# Altium PCB Smart-Light-Modulator-V1.1.PcbDoc (continued)
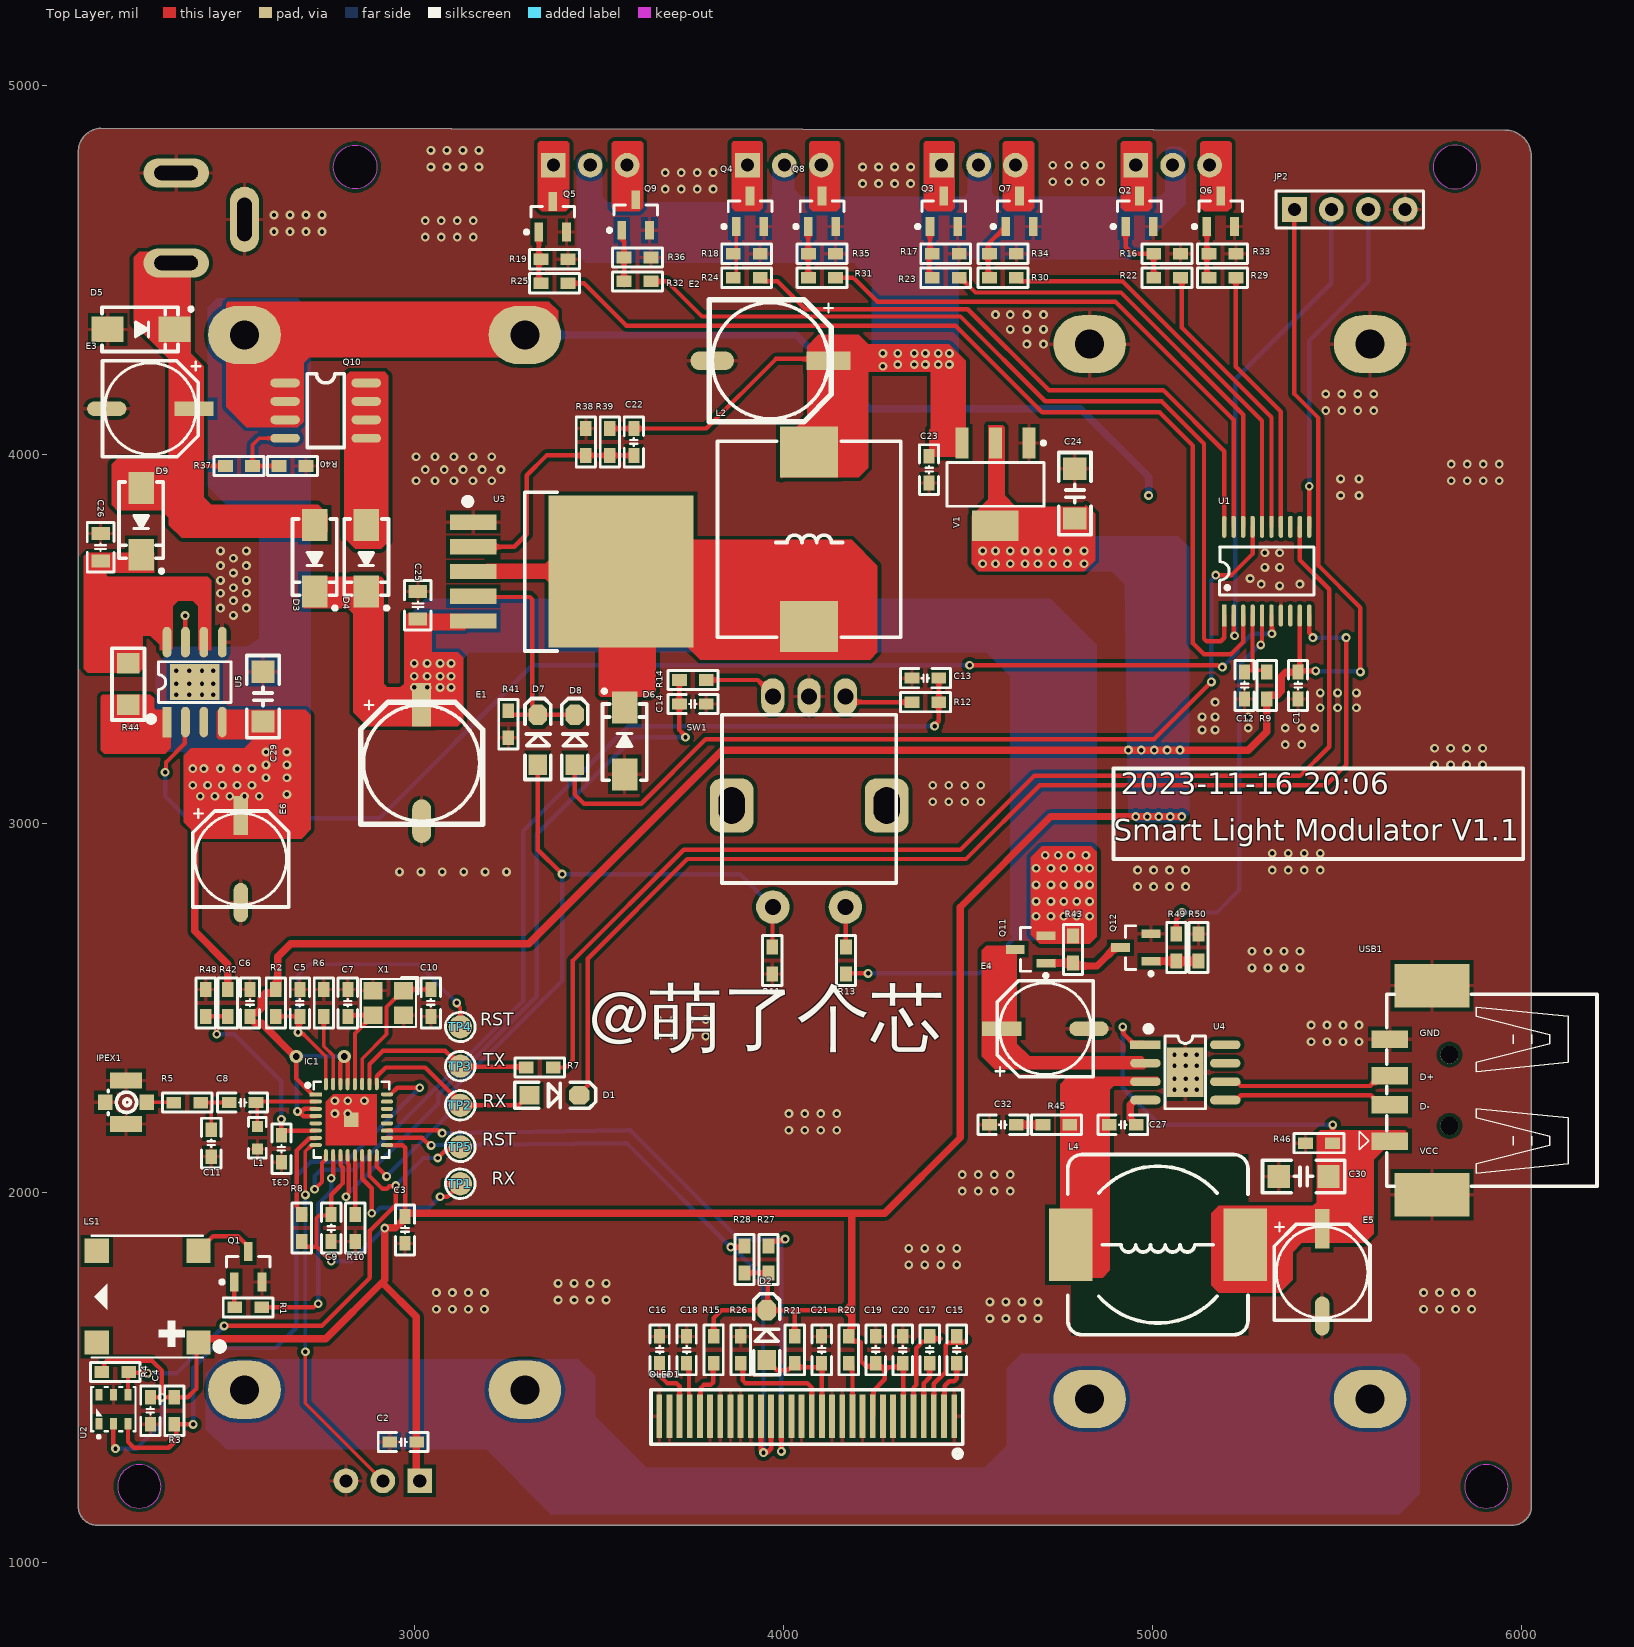
[diagram p0: Top Layer view]
## Nets (pads, with @x,y where several pads share a name; then routed paths per layer and width w, separated by ;. In a path a pad name is that pad's centre, name@x,y a point inside that pad or via, vN(x,y) a via of type N, cw(c..) or ccw(c..) an arc to the next point about the centre after c; other vN are vias at no path point)
5V: C22.2 C23.2 E2.1 JP3.2 JP4.2 JP5.2 JP6.2 L2.2 R39.2 V1.3 | length 644.3
  Top Layer w12: R39.2 C22.2 3791.5,4071.5 3980,4260 E2.1@4096.21,4260
  other v1: 4270,4240 4310,4245 4355,4245 4385,4245 4420,4245 4450,4245 4270,4275 4310,4275 4355,4275 4385,4275 4420,4275 4450,4275
12V: CON1.1 D3.1 D5.2 D9.1 E3.1 R37.2 | length 83.5
  Top Layer w12: 2405,3970 R37.2
AHT20_SCL: IC1.24 R3.1 U2.3 | length 1698.5
  Top Layer w12: U2.3 2224.37,1325.63 2240,1310 2335,1310 2355,1330 2355,1368.5 R3.1 2400.3,1373.5 v1(2400.92,1372.88) ; IC1.24@2936.77,2268 2953.77,2285 v1(3015,2285)
  Bottom Layer w12: v1(2400.92,1372.88) 2400.92,1525.92 2455,1580 2625,1580 2680,1635 2680,2045 2720,2085 2815,2085 v1(3015,2285)
AHT20_SDA: IC1.15 R4.1 TP5.1 U2.4 | length 1467.4
  Top Layer w12: U2.4 2224.37,1512.87 R4.1 2228.49,1513.01 2275.46,1513.01 v1(2277.45,1511.02) ; v1(2485,1640) 2750,1640 2880,1770 2880,1897.53 2950,1967.53 v1(2950,2020) 2947.7,2017.7 2932.46,2017.7 2925.75,2011 2914,2011 2878.76,2046.24 IC1.15 ; v1(3063.73,2094.9) 3086.41,2117.59 3117.59,2117.59 TP5.1
  Bottom Layer w12: v1(2277.45,1511.02) 2356.02,1511.02 v1(2485,1640) ; v1(2950,2020) 3024.9,2094.9 v1(3063.73,2094.9)
BAT-ADC: C31.2 IC1.6 R42.1 R48.2 | length 579.2
  Top Layer w12: R48.2 2465,2478.5 ; v1(2465,2430) 2465,2478.5 ; R42.1 2465,2478.5 ; C31.2 C31.2@2640,2159.72 ; v1(2640,2200) C31.2@2640,2159.72 ; IC1.6 2699.74,2168.97 2699.74,2168.72 2649,2168.72 C31.2@2640,2159.72
  Bottom Layer w12: v1(2465,2430) 2512.25,2430 2640,2302.25 v1(2640,2200)
BEEP: IC1.10 R1.2 | length 576.3
  Top Layer w12: R1.2 2726.97,1690 2736.97,1700 v1(2740,1700) ; v1(2775,2040) 2775,2043.25 2780.31,2048.56 IC1.10
  Bottom Layer w12: v1(2740,1700) 2740,1970 2775,2005 v1(2775,2040)
CHARGE-IO: U1.6 U5.2 | length 3515.3
  Top Layer w12: v1(2325,3140) 2327.3,3142.3 2327.3,3166.77 2377.78,3217.25 2377.78,3273.92 U5.2 ; v1(4505,3430) 5176.97,3430 5179.67,3427.3 5187.7,3427.3 v1(5190,3425) ; U1.6 5322.8,3540.92 5324.12,3539.59 v1(5324.12,3515.5)
  Bottom Layer w12: v1(2325,3140) 2325,3075 2385,3015 2905,3015 3320,3430 v1(4505,3430) ; v1(5190,3425) 5231.15,3466.15 5231.15,3476.15 5270,3515 5305,3515 5305.1,3514.9 5323.53,3514.9 v1(5324.12,3515.5)
ESP-U0-RX: D1.1 IC1.25 TP2.1 | length 495.7
  Top Layer w12: IC1.25 2898.45,2313.45 2900,2315 2900,2317.46 2922.54,2340 3030,2340 TP2.1@3125,2245 ; TP2.1 3282.5,2237.5 3310,2265 D1.1
ESP-U0-TX: IC1.26 R7.2 TP3.1 | length 512.2
  Top Layer w12: IC1.26 2878.76,2348.76 2915,2385 3083.75,2385 TP3.1 3126.88,2341.88 3301.62,2341.88 R7.2
ESP_UART0_RX: D1.2 U1.10 | length 3150.8
  Top Layer w12: D1.2 3447.5,2268.53 3470,2291.03 3470,2635 3740,2905 4495,2905 4695,3105 5470,3105 5525,3160 v1(5525,3505) ; U1.10 5425.16,3518.09 5435,3508.25 v1(5435,3505)
  Bottom Layer w12: v1(5435,3505) v1(5525,3505)
ESP_UART0_TX: R7.1 U1.12 | length 3249.6
  Top Layer w12: R7.1 3410,2340 3430,2360 3430,2630 3730,2930 4480,2930 4680,3130 5400,3130 5479,3209 5479,3636 5399.57,3715.43 U1.12
ESP_UART1_TX: IC1.14 TP1.1 | length 440.9
  Top Layer w12: IC1.14 2859.07,2038.4 2885,2012.47 v1(2885,1945) ; v1(3070,1990) 3090,1990 TP1.1
  Bottom Layer w12: v1(2885,1945) 2887.3,1947.3 2895.33,1947.3 2908.03,1960 3040,1960 v1(3070,1990)
GND: C1.1 C2.1 C3.1 C4.1 C5.1 C6.1 C7.1 C9.1 C10.1 C11.1 C12.2 C13.2 C14.1 C16.2 C18.2 C19.1 C20.1 C21.2 C23.1 C24.1 C25.1 C26.1 C29.1 C30.1 C31.1 C32.2 CON1.2 CON1.3 D5.1 D6.1 E1.2 E2.2 E3.2 E4.2 E5.2 E6.2 IC1.33 IPEX1.1 IPEX1.3 IPEX1.4 J2.3 J2.4 JP1.3 JP2.4 L1.1 OLED1.1 OLED1.7 OLED1.8 OLED1.10 OLED1.12 OLED1.13 OLED1.16 OLED1.17 OLED1.21 OLED1.22 OLED1.23 OLED1.24 OLED1.25 OLED1.29 OLED1.30 Q1.2 Q2.2 Q3.2 Q4.2 Q5.2 Q6.2 Q7.2 Q8.2 Q9.2 Q12.2 R6.2 R10.2 R11.1 R16.1 R17.1 R18.1 R19.1 R26.2 R33.1 R34.1 R35.1 R36.1 R38.1 R40.1 R41.1 R46.2 R48.1 R50.2 SW1.C U1.7 U2.5 U3.1 U4.9 U5.5 U5.7 USB1.4 V1.1 X1.2 X1.4 | length 72.2
  Top Layer w12: v1(2379.08,3564.51) 2380,3563.59 U5.7
  other v1: 4560,1660 4603.33,1660 4646.67,1660 4690,1660 3060,1685 3103.33,1685 3146.67,1685 3190,1685 5735,1685 5778.33,1685 5821.67,1685 5865,1685 4560,1705 4603.33,1705 4646.67,1705 4690,1705 3390,1710 3433.33,1710 3476.67,1710 3520,1710 3060,1730 3103.33,1730 3146.67,1730 3190,1730 5735,1730 5778.33,1730 5821.67,1730 5865,1730 3390,1755 3433.33,1755 3476.67,1755 3520,1755 4340,1805 4383.33,1805 4426.67,1805 4470,1805 4340,1850 4383.33,1850 4426.67,1850 4470,1850 4485,2005 4528.33,2005 4571.67,2005 4615,2005 4485,2050 4528.33,2050 4571.67,2050 4615,2050 4015,2170 4058.33,2170 4101.67,2170 4145,2170 2785,2215 2820,2215 4015,2215 4058.33,2215 4101.67,2215 4145,2215 2785,2250 2820,2250 2865,2250 5060,2280 5090,2280 5120,2280 5060,2310 5090,2310 5120,2310 5060,2345 5090,2345 5120,2345 5060,2375 5090,2375 5120,2375 5430,2410 5473.33,2410 5516.67,2410 5560,2410 3660,2425 3703.33,2425 3746.67,2425 3790,2425 5430,2455 5473.33,2455 5516.67,2455 5560,2455 3660,2470 3703.33,2470 3746.67,2470 3790,2470 5270,2610 5313.33,2610 5356.67,2610 5400,2610 5270,2655 5313.33,2655 5356.67,2655 5400,2655 4960,2830 5003.33,2830 5046.67,2830 5090,2830 2960,2870 3018,2870 3076,2870 3134,2870 3192,2870 3250,2870 4960,2875 5003.33,2875 5046.67,2875 5090,2875 5325,2875 5368.33,2875 5411.67,2875 5455,2875 5325,2920 5368.33,2920 5411.67,2920 5455,2920 4405,3060 4448.33,3060 4491.67,3060 4535,3060 4405,3105 4448.33,3105 4491.67,3105 4535,3105 5765,3160 5808.33,3160 5851.67,3160 5895,3160 5765,3205 5808.33,3205 5851.67,3205 5895,3205 5360,3215 5405,3215 5135,3255 5170,3255 5260,3260 5360,3260 5405,3260 5440,3260 5135,3290 5170,3290 5260,3290 5455,3315 5502,3315 5553,3315 5170,3330 5455,3355 5502,3355 5553,3355 2510,3565 2475,3585 2545,3585 2510,3605 2475,3625 2545,3625 2510,3640 5345,3645 5295,3650 5400,3650 2475,3660 2545,3660 5265,3665 2510,3680 5305,3695 5345,3695 2475,3700 2545,3700 2510,3720 5305,3735 5345,3735 2475,3740 2545,3740 5510,3890 5560,3890 3005,3930 3056.25,3930 3107.5,3930 3158.75,3930 3210,3930 5810,3930 5853.33,3930 5896.67,3930 5940,3930 5510,3935 5560,3935 3030,3960 3081.25,3960 3132.5,3960 3183.75,3960 3235,3960 5810,3975 5853.33,3975 5896.67,3975 5940,3975 3005,3995 3056.25,3995 3107.5,3995 3158.75,3995 3210,3995 5470,4120 5513.33,4120 5556.67,4120 5600,4120 5470,4165 5513.33,4165 5556.67,4165 5600,4165 4660,4300 4705,4300 4615,4340 4660,4340 4705,4340 4575,4380 4615,4380 4660,4380 4705,4380 3030,4590 3073.33,4590 3116.67,4590 3160,4590 2620,4605 2663.33,4605 2706.67,4605 2750,4605 3030,4635 3073.33,4635 3116.67,4635 3160,4635 2620,4650 2663.33,4650 2706.67,4650 2750,4650 3680,4720 3723.33,4720 3766.67,4720 3810,4720 4215,4735 4258.33,4735 4301.67,4735 4345,4735 4730,4740 4773.33,4740 4816.67,4740 4860,4740 3680,4765 3723.33,4765 3766.67,4765 3810,4765 3045,4780 3088.33,4780 3131.67,4780 3175,4780 4215,4780 4258.33,4780 4301.67,4780 4345,4780 4730,4785 4773.33,4785 4816.67,4785 4860,4785 3045,4825 3088.33,4825 3131.67,4825 3175,4825
NetC7_2: C7.2 IC1.28 X1.3 | length 276.1
  Top Layer w10: C7.2 2823.04,2481.54 X1.3@2886.69,2481.54 ; IC1.28 2839.38,2345.62 2839.38,2432.25 2868.07,2460.94 2868.07,2462.91 X1.3@2886.69,2481.54 ; X1.3 X1.3@2886.69,2481.54
NetC8_1: C8.1 IC1.2 L1.2 | length 228.5
  Top Layer w10: L1.2 2575,2241.5 C8.1 2574.22,2247.72 2657.08,2247.72 IC1.2
NetC8_2: C8.2 C11.2 R5.2 | length 137.6
  Top Layer w10: R5.2 2450,2245 ; C11.2@2450,2184.43 2450,2245 ; C8.2 2450,2245
NetC10_2: C10.2 IC1.27 X1.1 | length 376
  Top Layer w10: IC1.27 2859.07,2364.07 2925,2430 2925,2504.09 2969.37,2548.46 X1.1 2974.37,2551.5 C10.2
NetC15_1: C15.1 OLED1.3 | length 266.6
  Top Layer w12: OLED1.3 4407.92,1482.92 4440,1515 4440,1587.44 4447.03,1594.47 4487.97,1594.47 4495,1601.5
NetC15_2: C15.2 OLED1.2 | length 165.4
  Top Layer w12: OLED1.2 4437.34,1396.87 4437.34,1477.34 4450,1490 4462.97,1490 4470,1497.03 C15.2
NetC16_1: C16.1 OLED1.28 | length 180.5
  Top Layer w12: C16.1 3665,1505 3685,1485 3710,1485 3718.94,1476.06 OLED1.28
NetC17_1: C17.1 OLED1.5 | length 276.7
  Top Layer w12: OLED1.5 4352.79,1472.79 4360,1480 4360,1579.65 4377.85,1597.5 4387.82,1597.5 4396.82,1606.5 C17.1 ; C17.1@4391.82,1601.5 4395.32,1605.01 4426.49,1605.01
NetC17_2: C17.2 OLED1.4 | length 150.3
  Top Layer w12: OLED1.4 4380.36,1484.04 4396.82,1500.5 C17.2
NetC18_1: C18.1 OLED1.27 | length 134.4
  Top Layer w12: C18.1@3744.45,1528.5 3744.45,1455.08 3744.63,1454.9 3744.63,1396.87 OLED1.27
NetC21_1: C21.1 D2.1 OLED1.14 R21.2 | length 314.4
  Top Layer w12: D2.1 3955,1545 3974,1526 3976.5,1526 3982.5,1520 4012.41,1520 R21.2 ; R21.2@4020,1527.5 4089,1527.5 4090,1528.5 C21.1@4104.09,1528.5 ; OLED1.14 C21.1@4104.77,1528.5
NetC22_1: C22.1 R38.2 R39.1 U3.2 | length 631.3
  Top Layer w12: U3.2 3270.79,3750.79 3305,3785 3305,3945 3358.5,3998.5 R38.2 R39.1 C22.1
NetC26_2: C26.2 D9.2 R44.1 U5.6 U5.8
NetC27_1: C27.1 U4.4 | length 110.2
  Top Layer w20: C27.1 4951.5,2185 4946.5,2190 4946.5,2195.22 4940,2201.72 4940,2239.1 4952.59,2251.69 U4.4
NetC27_2: C27.2 L4.2 R45.2 U4.3
NetC32_1: C32.1 R45.1 | length 72
  Top Layer w20: C32.1 R45.1
NetD4_1: D4.1 Q10.5 Q10.6 Q10.7 Q10.8
NetD6_2: D6.2 L2.1 U3.3 U3.6
NetE4_1: E4.1 Q11.3 U4.2
NetIC1_7: IC1.7 R8.1 | length 251.7
  Top Layer w12: R8.1@2705,1941.5 2692.61,1953.89 2686.87,1953.89 2685.25,1955.5 2685.25,1959.28 2682,1962.53 2682,2002.53 2682,2115.21 2715.48,2148.69 2732.45,2148.69 IC1.7
NetIC1_13: IC1.13 R10.1 | length 150.3
  Top Layer w12: IC1.13@2839.97,2091.27 2839.97,2074.26 2840.62,2073.61 2840.62,2018.09 2840,2017.47 R10.1
NetIC1_31: IC1.31 R6.1 | length 194
  Top Layer w10: R6.1 2755,2397.76 2780.31,2372.45 IC1.31
NetIPEX1_2: IPEX1.2 R5.1 | length 73.5
  Top Layer w10: IPEX1.2 2347.79,2245.71 R5.1
NetJ1_3: J1.3 J1.4 J2.1 J2.2
NetJP3_1: JP3.1 Q2.3
NetJP3_3: JP3.3 Q6.3
NetJP4_1: JP4.1 Q3.3
NetJP4_3: JP4.3 Q7.3
NetJP5_1: JP5.1 Q4.3
NetJP5_3: JP5.3 Q8.3
NetJP6_1: JP6.1 Q5.3 | length 1.4
  Top Layer w50: JP6.1@3375.96,4784.04 JP6.1
NetJP6_3: JP6.3 Q9.3
NetLS1_2: LS1.2 Q1.3 | length 176.2
  Top Layer w12: LS1.2 2455,1882.62 2522.5,1882.62 2550,1855.12 Q1.3
NetOLED1_11: OLED1.11 R20.1 | length 137.5
  Top Layer w12: OLED1.11 R20.1@4187.44,1532.51
NetOLED1_15: OLED1.15 R26.1 | length 313.7
  Top Layer w12: R26.1@3890.37,1533.13 3890.37,1492.03 3897.4,1485 4065,1485 4077.21,1472.79 OLED1.15
NetOLED1_26: OLED1.26 R15.2 | length 168.7
  Top Layer w12: OLED1.26 3775.92,1396.87 3775.92,1470.92 3785,1480 3802.97,1480 3810,1487.03 R15.2@3810,1538.33
NetQ1_1: Q1.1 R1.1 | length 69
  Top Layer w12: Q1.1 2512.6,1690.9 R1.1
NetQ2_1: Q2.1 R16.2 R22.2 | length 174.4
  Top Layer w12: Q2.1@4927.6,4608.66 4927.6,4562.4 4945,4545 R16.2@4983.5,4545 ; R22.2 R16.2
NetQ3_1: Q3.1 R17.2 R23.2 | length 135.7
  Top Layer w12: R17.2@4397.6,4545 Q3.1@4397.6,4608.66 ; R23.2 4395,4488.5 4395,4536.5 R17.2
NetQ4_1: Q4.1 R18.2 R24.2 | length 133.5
  Top Layer w10: R24.2@3872.6,4485.16 Q4.1
NetQ5_1: Q5.1 R19.2 R25.2 | length 141.1
  Top Layer w12: Q5.1@3337.6,4593.66 3337.6,4460.9 R25.2@3343.5,4455
NetQ6_1: Q6.1 R29.2 R33.2 | length 141.1
  Top Layer w12: Q6.1@5147.6,4608.66 5147.6,4475.9 R29.2@5153.5,4470
NetQ7_1: Q7.1 R30.2 R34.2 | length 158.4
  Top Layer w12: R30.2@4555,4480 4555,4545 4555.66,4545.66 4555.66,4571.72 Q7.1
NetQ8_1: Q8.1 R31.2 R35.2 | length 139
  Top Layer w12: Q8.1 4067.6,4480.9 R31.2
NetQ9_1: Q9.1 R32.2 R36.2 | length 141.1
  Top Layer w12: Q9.1@3562.6,4598.66 3562.6,4584.88 3568.5,4578.98 3568.5,4525 R32.2@3568.5,4460
NetQ10_4: Q10.4 R37.1 R40.2 | length 242.7
  Top Layer w10: R40.2 R37.1 2561.5,4026.5 2580,4045 Q10.4
  Top Layer w12: R40.2 2637.75,3970 R40.2@2647.5,3979.75
NetQ11_1: Q11.1 Q12.3 R43.1 | length 228.5
  Top Layer w20: Q11.1 4711.79,2623.05 4784.55,2623.05 R43.1 4785,2620.75 4790.75,2615 4849.88,2615 4899.88,2665 Q12.3
NetQ12_1: Q12.1 R49.1 R50.1 | length 129
  Top Layer w20: Q12.1 4996.79,2628.05 5065,2628.05 5124.55,2628.05 R50.1
NetR12_2: R12.2 SW1.A | length 192.6
  Top Layer w12: SW1.A@4164.06,3349.8 4183.86,3330 R12.2
NetR13_2: R13.2 SW1.2 | length 108.7
  Top Layer w12: SW1.2 4169.21,2773.78 4169.21,2667.29 R13.2
NetR14_2: R14.2 SW1.B | length 200.8
  Top Layer w12: R14.2 3930.93,3390 3971.57,3349.35 SW1.B
NetR44_2: R44.2 U5.1
NRST: C12.1 R9.2 U1.4 | length 229.8
  Top Layer w10: U1.4 5271.61,3511.61 5271.61,3415.48 5253.98,3415.48 C12.1 5255,3416.5 5271.61,3416.5 R9.2@5305,3416.5
OLED-SCL: IC1.19 OLED1.18 R27.2 | length 1927.2
  Top Layer w12: IC1.19 2926.55,2169.48 3064.96,2169.48 3072.32,2162.12 v1(3075.57,2162.12) ; R27.2@3960,1866.75 3963.75,1870.5 3997.25,1870.5 4001.75,1875 v1(4005,1875) ; OLED1.18 3994.53,1300.47 v1(3995,1300)
  Bottom Layer w12: v1(3075.57,2162.12) 3575.06,2170 3585,2170 3588.51,2166.49 3880,1875 v1(4005,1875) 4005,1871.97 3995,1861.97 v1(3995,1300)
OLED-SDA: IC1.18 OLED1.19 OLED1.20 R28.2 | length 1910.4
  Top Layer w12: IC1.18 3022.05,2149.28 3042.32,2129 v1(3045.57,2129) ; v1(3857.56,1853.28) 3891.78,1853.28 R28.2 ; OLED1.20 3939.41,1303.41 v1(3946.44,1296.38) 3956.38,1296.38 3966.97,1306.97 OLED1.19
  Bottom Layer w12: v1(3045.57,2129) 3565.9,2135 3575.85,2135 3579.36,2131.49 v1(3857.56,1853.28) ; v1@3860.19,1855.91 v1(3857.56,1853.28) ; v1(3946.44,1296.38) 3946.44,1548.56 3945,1550 3945,1771.1 3862.81,1853.28 v1(3857.56,1853.28)
RADAR: IC1.8 JP1.2 | length 1023.8
  Top Layer w10: v1(2705,1570) 2705,1430 2899.6,1235.4 2915,1235.4 JP1.2 ; v1(2705,1995) 2705,2112.87 2721.72,2129.58 IC1.8
  Bottom Layer w10: v1(2705,1570) v1(2705,1995)
RST: C5.2 IC1.32 R2.1 TP4.1 | length 1035.5
  Top Layer w10: R2.1@2620,2478.5 R2.1 2685,2478.5 2685,2445 v1@2688.11,2441.89 ; v1(2685,2435) 2685,2438.79 v1@2688.11,2441.89 ; C5.2 2690,2443.79 v1@2688.11,2441.89 ; IC1.32 2760.62,2369.38 v1@2688.11,2441.89 ; v1(3115,2515) 3115,2511.21 3125,2501.21 TP4.1
  Bottom Layer w10: v1(2685,2435) 2685,2590 2715,2620 3010,2620 v1(3115,2515)
SW-A: C13.1 IC1.9 R12.1 | length 2729.2
  Top Layer w12: v1(2730,2010) 2750.05,2030.05 2750.05,2081.28 2760.62,2091.85 IC1.9 ; v1(4410,3265) 4410,3268.25 4421.5,3279.75 R12.1 C13.1
  Bottom Layer w12: v1(2730,2010) 2730,2045 2748,2063 2838,2063 3295,2520 3295,2980 3580,3265 v1(4410,3265)
SW-B: C14.2 IC1.12 R14.1 | length 1986.4
  Top Layer w12: v1(2815,1990) 2815,1993.25 2822.76,2001.01 2822.76,2076.8 2820.28,2079.29 2820.28,2101.41 IC1.12 ; R14.1 3718.5,3254.75 3735,3238.25 v1(3735,3235)
  Bottom Layer w12: v1(2815,1990) 2815,1992.53 3065,2242.53 3065,2265.96 3332,2532.96 3332,2972 3595,3235 v1(3735,3235)
SWCLK: JP2.3 U1.11 | length 926.3
  Top Layer w12: v1(5425,3915) 5425.16,3914.84 U1.11
  Bottom Layer w12: v1(5425,3915) 5425,4310 5585,4470 JP2.3
SWDIO: JP2.2 U1.2 | length 1343.5
  Top Layer w12: U1.2 5220.43,3515.84 5223.02,3513.25 v1(5223.02,3510)
  Bottom Layer w12: v1(5223.02,3510) 5225,3511.98 5225,4205 5485,4465 JP2.2@5485,4650.14 ; 5468.11,4633.11 5468.11,4633.25 JP2.2@5485,4650.14 ; JP2.2 JP2.2@5485,4650.14
SWITCH: D7.1 IC1.16 R11.2 SW1.1 | length 2137.5
  Top Layer w12: IC1.16 2898.45,2071.55 v1(2925,2045) ; D7.1@3335,3159.33 3335,2930 v1(3400.78,2864.22) ; SW1.1@3960.75,2763.74 SW1.1@3970.79,2773.78 ; R11.2 3970.79,2667.29 SW1.1@3970.79,2773.78 ; SW1.1 SW1.1@3970.79,2773.78
  Bottom Layer w12: v1(2925,2045) 3090,2210 3090,2265 3400.78,2575.78 v1(3400.78,2864.22) 3881.93,2864.22 SW1.1
SYS-EN: D7.2 D8.2 R41.2 U3.4 | length 641.5
  Top Layer w12: U3.4@3158.33,3615 3312.97,3615 3320,3607.97 3320,3321.99 3324.99,3317 3324.99,3300.49 D7.2@3320,3295.5 ; R41.2 3255,3305.25 3264.75,3295.5 D7.2@3320,3295.5 ; D8.2@3410,3295.5 D7.2 D7.2@3320,3295.5
SYS-POWER: D8.1 U1.17 | length 2443.8
  Top Layer w12: D8.1@3435,3155.33 3435,3080 3460,3055 3615,3055 3790,3230 5005,3230 v1(5160,3385) ; v1(5171.95,3674.3) 5214.3,3674.3 5271.61,3731.61 U1.17
  Bottom Layer w12: v1(5160,3385) 5160,3660 5175,3675 5172.65,3675 v1(5171.95,3674.3)
USB-DN: U4.5 USB1.2 | length 436.5
  Top Layer w12: U4.5 5226.74,2251.69 5240.05,2265 5592.17,2265 USB1.2@5617.99,2239.17
USB-DP: U4.6 USB1.3 | length 464.9
  Top Layer w12: U4.6 5228.35,2301.69 5240.05,2290 5590.08,2290 5604.37,2304.29 5617.99,2317.91 USB1.3
  Top Layer w20: USB1.3@5604.37,2301.72 USB1.3@5604.37,2304.29
USB-EN: R49.2 U1.5 | length 1017.4
  Top Layer w12: R49.2 5065,2741.75 5080,2756.75 v1(5080,2760) ; v1(5293.61,3485) 5295.91,3487.3 5295.91,3494.16 5297.2,3495.45 U1.5
  Bottom Layer w12: v1(5080,2760) 5175,2760 5235,2820 5235,3430 5266.35,3461.35 5284,3479 5284.37,3479 5290.37,3485 v1(5293.61,3485)
VBAT: C29.2 E6.1 J1.1 J1.2 Q10.1 Q10.2 Q10.3 R42.2 U5.4 U5.9 | length 2517.7
  Top Layer w20: 2420,3125 2405,3110 2405,2710 2495,2620 R42.2 ; v1@4989.23,3889.23 v1(4990,3890)
  Bottom Layer w20: J1.2 4035,4325 4235,4125 4805,4125 4990,3940 v1(4990,3890)
  other v1: 2420,3075 2460,3075 2500,3075 2540,3075 2580,3075 2655,3080 2400,3105 2440,3105 2480,3105 2520,3105 2560,3105 2598.33,3125 2655,3125 2400,3150 2430,3150 2475,3150 2520,3150 2560,3150 2598.33,3160 2655,3160 2598.33,3195 2655,3195 2355,3350 2390,3350 2425,3350 2455,3350 2355,3380 2390,3380 2425,3380 2455,3380 2355,3415 2390,3415 2425,3415 2455,3415
VBUS: C30.2 E5.1 L4.1 R46.1 U4.1 USB1.1 | length 916.3
  Top Layer w12: v1(4920,2450) 4922.3,2447.7 4922.3,2431.01 4946.12,2407.19 4975.65,2407.19 U4.1 ; R46.1 5488,2183.54 v1(5488.88,2184.42)
  Bottom Layer w12: v1(4920,2450) 4920,2285 5020.58,2184.42 v1(5488.88,2184.42)
VCC: C1.2 C2.2 C3.2 C4.2 C6.2 C9.2 C19.2 C20.2 C24.2 D2.2 IC1.1 IC1.3 IC1.4 IC1.11 IC1.17 IC1.29 IC1.30 JP1.1 JP2.1 LS1.1 OLED1.6 OLED1.9 R2.2 R3.2 R4.2 R8.2 R9.1 R15.1 R20.2 R21.1 R27.1 R28.1 U1.9 U2.2 V1.2 V1.4 | length 13468.2
  Top Layer w12: R4.2 2160,1521.5 2160,1537.97 2167.03,1545 2290,1545 2316.06,1518.94 v1@2316.06,1446.5 ; U2.2 2185,1312.85 v1(2190.47,1307.38) ; C4.2 v1@2316.06,1446.5 ; v1(2316.06,1446.21) v1@2316.06,1446.5 ; LS1.1 2410,1589.61 2410,1470 2386.5,1446.5 R3.2 v1@2316.06,1446.5 ; v2(2680,2370) 2680,2310.31 IC1.1@2722.3,2268.01 ; v1(2683.74,2221.26) 2684.2,2221.26 v1@2690,2215.46 ; R8.2 2695,1864.5 2704.75,1854.75 2735.25,1854.75 ; IC1.4 2699.9,2208.34 2693.25,2215 2690,2215 v1@2690,2215.46 ; IC1.3 2702.57,2228.03 v1@2690,2215.46 ; v1(2775,1815) 2735.25,1854.75 ; C9.2 2772.53,1939.03 2742.28,1939.03 2735.25,1932 2735.25,1854.75 ; C9.2@2775,1956.45 2775,1995 2794,2014 2794,2014.19 2805.76,2025.95 2805.76,2069.76 2800.59,2074.94 2800.59,2101.41 IC1.11 ; IC1.30 2800,2353.51 v2@2810,2363.51 ; v2(2810,2370) v2@2810,2363.51 ; IC1.29 2819.69,2353.82 v2@2810,2363.51 ; IC1.17 2968.39,2129.58 2975.42,2122.56 2975.42,1957.15 ; C3.2 C3.2@2984,1945.5 ; R15.1 3811.36,1661.36 3832.5,1682.5 D2.2 ; R28.1 R27.1 3957.5,1781 3957.5,1685 D2.2 ; R21.1 4030.91,1674.09 4022.5,1682.5 ; R20.2 4177.27,1607.25 4187.02,1597.5 4207.5,1597.5 4210,1595 4210,1545 4225,1530 4241.95,1530 C19.2 4250.45,1537.5 4259.45,1528.5 4275,1528.5 ; 4185,1670 4177.5,1670 4165,1682.5 ; 4185,1690 4177.5,1682.5 4165,1682.5 ; 4185,1702.5 4178.75,1696.25 4165,1682.5 ; OLED1.9 4244.43,1396.87 4244.43,1464.43 4275,1495 4275,1528.5 ; C20.2 4323.64,1530.1 C20.2@4325.24,1528.5 ; OLED1.6 C20.2@4325.24,1528.5 ; JP2.1 5385,4165 5450,4100 5450,3700 5563.66,3586.34 v1(5563.66,3411.85) ; C1.2 C1.2@5398.19,3414.69 ; U1.9 5399.57,3416.07 C1.2@5398.19,3414.69 ; v1(5442.96,3414.69) C1.2@5398.19,3414.69 ; D2.2 4022.5,1682.5 ; 4022.5,1682.5 4165,1682.5 ; 4275,1528.5 C20.2@4325.24,1528.5
  Top Layer w20: LS1.1 2425.39,1605 2760,1605 2912.5,1757.5 ; v2(2680,2370) 2676.54,2370 2586.54,2460 2568.5,2460 2555,2473.5 C6.2 2555,2483.5 2560,2488.5 2573.28,2488.5 2585,2500.22 2585,2529.78 2596.72,2541.5 2621.76,2541.5 2630,2549.74 2630,2640 2665,2675 3310,2675 3835,3200 v1(4935,3200) v1(4970,3200) v1(5005,3200) v1(5040,3200) v1(5075,3200) 5260,3200 5310,3250 R9.1@5310,3342.64 ; C3.2 2970,1931.5 2970,1926.5 2949.27,1905.77 2920.77,1905.77 v1(2920,1905) 2920,1765 2912.5,1757.5 ; C3.2@2984,1945.5 4185,1945.5 ; JP1.1 3005,1230 3005,1665 2912.5,1757.5 ; R20.2 4183.02,1617.25 4183.02,1631.24 4185,1633.22 4185,1670 4185,1682.5 4185,1690 4185,1702.5 4185,1945.5 ; V1.4 V1.4@4602.42,3780.38 ; 4715,3770 4805,3770 ; v1(5079.69,3020) v1(5048.51,3020) v1(5017.34,3020) v1(4986.17,3020) v1(4955,3020) 4725,3020 4480,2775 4480,2150.43 4275.07,1945.5 4185,1945.5 ; C1.2 5361.72,3411.5 5350,3399.78 5350,3360.11 5338.28,3348.39 5315.75,3348.39 R9.1@5310,3342.64 ; R9.1@5310,3342.64 R9.1 R9.1@5310,3342.64
  Bottom Layer w12: v1(2190.47,1307.38) 2247.38,1307.38 2316.06,1376.06 v1(2316.06,1446.21) ; v1(2683.74,2221.26) 2681.87,2223.13 2681.87,2368.13 v2(2680,2370) v2(2810,2370) ; v1(2775,1815) 2830,1815 v1(2920,1905) ; v1@5443.27,3415 v1(5442.96,3414.69) 5444.38,3413.27 5562.24,3413.27 v1(5563.66,3411.85)
  other v1: 4540,3705 4575,3705 4615,3705 4655,3705 4690,3705 4730,3705 4770,3705 4815,3705 4540,3740 4575,3740 4615,3740 4655,3740 4690,3740 4730,3740 4770,3740 4815,3740
VIN: C25.2 D3.2 D4.2 E1.1 Q11.2 R13.1 R43.2 U3.5 | length 581.3
  Top Layer w12: R13.1@4170,2590 4175,2595 v1(4230,2595)
  Bottom Layer w12: v1(4230,2595) 4530,2595 v1(4685,2750)
  other v1: 4725,2750 4760,2750 4795,2750 4830,2750 4685,2790 4725,2790 4760,2790 4795,2790 4830,2790 4685,2835 4725,2835 4760,2835 4800,2835 4830,2835 4685,2880 4725,2880 4760,2880 4800,2880 4830,2880 4710,2915 4745,2915 4780,2915 4820,2915 3000,3370 3035,3370 3070,3370 3100,3370 3000,3400 3035,3400 3070,3400 3100,3400 3000,3435 3035,3435 3070,3435 3100,3435
WHITE1: R22.1 U1.15 | length 764.9
  Top Layer w12: R22.1@5080,4469.4 5080,4345 5322.8,4102.2 U1.15
WHITE2: R23.1 U1.18 | length 1215.8
  Top Layer w12: R23.1@4485.75,4475 4520.75,4440 4915,4440 5246.02,4108.98 U1.18
WHITE3: R24.1 U1.20 | length 1636.4
  Top Layer w12: R24.1 3947.04,4470.25 3958.07,4470.25 3958.32,4470 3985,4470 4060,4395 4500,4395 4720,4175 5030,4175 5195,4010 U1.20@5195,3825.99
WHITE4: R25.1 U1.3 | length 2644.8
  Top Layer w12: R25.1 3460,4465 3575,4350 4466.77,4350 4701.77,4115 5020,4115 5110,4025 5110,3489.96 5139.99,3459.97 5212.94,3459.97 5246.02,3493.05 U1.3
YELLOW1: R29.1 U1.14 | length 715.4
  Top Layer w12: R29.1@5226.5,4470 5226.5,4238.5 5348.39,4116.61 U1.14
YELLOW2: R30.1 U1.16 | length 1113.8
  Top Layer w12: R30.1 4641.25,4470.25 4652.28,4470.25 4652.53,4470 4920,4470 5297.2,4092.8 U1.16
YELLOW3: R31.1 U1.19 | length 1528.1
  Top Layer w12: R31.1 4190,4480 4255,4415 4900,4415 5220.43,4094.57 U1.19
YELLOW4: R32.1 U1.1 | length 2330.6
  Top Layer w12: R32.1 3685,4470 3780,4375 4480,4375 4710,4145 5025,4145 5140,4030 5140,3502.03 5147.03,3495 5185,3495 5194.84,3504.84 U1.1
pads on no net: IC1.5 IC1.20 IC1.21 IC1.22 IC1.23 LS1.3 LS1.4 SW1.0 U1.8 U1.13 U2.1 U2.6 U4.7 U4.8 U4.10 U4.11 U5.3 U5.10 U5.11 USB1.7 USB1.8

## Polygon pours and split planes (outlines as drawn)
GND on Top Layer "GND_L01_P000" (solid, remove dead copper, pour order 0): 2090,1150 ccw(c2140,1150) 2140,1100 5980,1100 ccw(c5976,1151) 6027.01,1155 6027.01,4810 ccw(c5956,4809) 5955,4880 2150,4885 ccw(c2152.5,4822.5) 2090,4820
GND on Bottom Layer "GND_L02_P001" (solid, remove dead copper, pour order 1): 2085,1145 ccw(c2135,1145) 2135,1095 5975,1095 ccw(c5971,1146) 6022.01,1150 6022.01,4805 ccw(c5951,4804) 5950,4875 2145,4880 ccw(c2147.5,4817.5) 2085,4815

## Other copper
Top Layer:
  region net NetR44_2: 2340,3310 2340,3205 2325,3190 2160,3190 2150,3200 2150,3345 2155,3350 2285,3350 2295,3340 2295,3315 2300,3310 2325,3310
  region net 12V: 2405,3990 2195,3990 2180,3975 2180,3865 2200,3845 2205,3850 2320,3850 2320,3845 2335,3830
  region net VBAT: 2590,3310 2470,3310 2465,3305 2465,3235 2470,3230 2555,3230 2560,3225
  region net VBAT: 2560,3310 2705,3310 2720,3295 2720,2985 2695,2960 2420,2960 2375,3005 2375,3185 2395,3205 2540,3205 2560,3225 2560,3255
  region net NetC26_2: 2255,3410 2115,3410 2105,3420 2105,3530 2260,3530 2265,3525 2265,3420
  region net NetC26_2: 2230,3510 2285,3510 2310,3485 2310,3470 2340,3470 2345,3475 2345,3590 2360,3605 2235,3605 2230,3610
  region net NetC26_2: 2235,3670 2440,3670 2450,3660 2450,3470 2415,3470 2415,3590 2400,3605 2262.5,3605 2250,3592.5
  region net NetC26_2: 2295,3735 2115,3735 2105,3725 2105,3530 2125,3510 2230,3510 2250,3530 2250,3655 2235,3670 2170,3670 2165,3675 2165,3680 2295,3680
  pour cut-out: 4810,2105 5260,2105 5260,1615 4780,1615 4780,2105
  region net VIN: 2700,3670 2910,3670 2917.5,3662.5 2917.5,3592.5 2895,3570 2835,3570 2820,3585 2700,3585
  region net NetD6_2: 3195,3705 3355,3705 3365,3715 3385,3715 3385,3655 3365,3655 3355,3665 3195,3665
  region net VCC: 4555,3880 4510,3835 4510,3705 4530,3685 4815,3685 4845,3715 4845,3840 4820,3865 4815,3860 4630,3860 4600,3890 4600,4075 4595,4080 4555,4080
  region net VBUS: 5690,2165 5685,2170 5455,2170 5445,2160 5445,1975 5435,1965 5180,1965 5160,1945 5160,1750 5180,1730 5345,1730 5380,1765 5380,1840 5405,1865 5575,1865 5600,1890 5600,2090 5630,2120 5690,2120
  region net NetC27_2: 4770,2315 4750,2295 4750,1775 4755,1770 4865,1770 4885,1790 4885,2280 4895,2290 5015,2290 5020,2295 5020,2310 5015,2315
  region net NetE4_1: 4632.5,2670 4550,2670 4537.5,2657.5 4537.5,2370 4572.5,2335 4977.5,2335 4982.5,2340 4982.5,2360 4972.5,2370 4667.5,2370 4632.5,2405 4632.5,2645
  region net VIN: 4695,2675 4670,2700 4670,2910 4700,2940 4835,2940 4850,2925 4850,2695 4830,2675
  region net 5V: 4395,3996.5 4398.5,4000 4500,4000 4500,4065 4495,4070 4395,4070
  region net 5V: 4495,3995 4400,3995 4400,4225 4190,4225 4190,4270 4220,4300 4450,4300 4495,4255
  region net 5V: 3995,3935 4000,3940 4205,3940 4230,3965 4230,4300 4205,4325 4095,4325 4065,4295 4065,4105 4035,4075 3995,4075
  region net NetD6_2: 3640,3770 4185,3770 4255,3700 4255,3465 4235,3445 3775,3445 3700,3520 3700,3630 3695,3635
  region net NetD6_2: 3505,3345 3500,3350 3500,3670 3525,3695 3660,3695 3675,3680 3655,3660 3655,3360 3640,3345 3655,3360 3640,3345
  region net VIN: 3002.5,3570 3002.5,3525 3137.5,3525 3142.5,3530 3142.5,3570
  region net VIN: 2835,3650 2835,3302.5 2872.5,3265 3117.5,3265 3132.5,3280 3132.5,3450 3117.5,3465 3047.5,3465 3047.5,3570 2972.5,3570 2972.5,3380 2962.5,3370 2927.5,3370 2917.5,3380 2917.5,3650
  region net 12V: 2450,3865 2740,3865 2765,3840 2765,3790 2750,3775 2428.4,3775
  region net 12V: 2335,4120 2335,3810 2370,3775 2450,3775 2450,3865 2430,3885 2430,4120
  region net NetD4_1: 2825,4225 2815,4215 2810,4215 2810,3775 2840,3745 2910,3745 2930,3765 2930,4215 2920,4225
  region net NetJP3_3: 5130,4845 5130,4670 5140,4660 5205,4660 5215,4670 5215,4845 5210,4850 5135,4850
  region net NetJP3_1: 4915,4845 4915,4670 4925,4660 4990,4660 5000,4670 5000,4845 4995,4850 4920,4850
  region net NetJP4_3: 4595,4845 4595,4670 4605,4660 4670,4660 4680,4670 4680,4845 4675,4850 4600,4850
  region net NetJP4_1: 4380,4845 4380,4670 4390,4660 4455,4660 4465,4670 4465,4845 4460,4850 4385,4850
  region net NetJP5_3: 4070,4845 4070,4670 4080,4660 4145,4660 4155,4670 4155,4845 4150,4850 4075,4850
  region net NetJP5_1: 3860,4845 3860,4670 3870,4660 3935,4660 3945,4670 3945,4845 3940,4850 3865,4850
  region net NetJP6_3: 3535,4845 3535,4670 3545,4660 3610,4660 3620,4670 3620,4845 3615,4850 3540,4850
  region net NetJP6_1: 3335,4845 3335,4670 3345,4660 3410,4660 3420,4670 3420,4845 3415,4850 3340,4850
  region net VBAT: 2490,4230 2490,4130 2545,4075 2685,4075 2700,4090 2700,4250 2715,4265 3365,4265 3390,4290 3390,4390 3365,4415 2495,4415 2490,4410
  region net 12V: 2255,4550 2240,4535 2240,4355 2335,4260 2335,4110 2360,4085 2430,4085 2430,4240 2395,4275 2395,4540 2385,4550
Bottom Layer:
  region net VBAT: 2650,3545 2545,3480 2350,3480 2300,3430 2300,3215 2320,3195 2650,3195
  region net NetJ1_3: 2475,1550 2435,1510 2435,1360 2490,1305 3195,1305 3370,1130 5670,1130 5725,1185 5725,1525 5685,1565 4645,1565 4605,1525 4605,1315 4545,1255 3630,1255 3490,1395 3490,1505 3445,1550
  pour cut-out: 5769.42,1251.1 5769.42,1170.58 5770,1170 5770,1095 5755,1095 5755,1250
  pour cut-out: 4810,2105 5260,2105 5260,1615 4780,1615 4780,2105
  region net VCC: 4585,3780 4590,3780 5070,3780 5100,3750 5100,3026.67 5078.33,3005 4956.65,3005 4935.05,3026.59 4925,3650 4890,3685 4530,3685 4510,3705 4510,3765 4525,3780
  region net VBAT: 2440,3915 2580,3775 2580,3255 2560,3235 2405,3235 2375,3205 2375,3095 2415,3055 2675,3055 2720,3100 2720,4390 2685,4425 2465,4425 2440,4400
  region net VIN: 3130,3355 2975,3355 2975,3555 3030,3610 4725,3610 4850,3485 4850,2710 4825,2685 4630,2685 4615,2700 4615,3400 4550,3465 3150,3465 3130,3445
  region net 5V: 3440,4780 3440,4545 3465,4520 4195,4520 4195,4515 4240,4470 4240,4245 4260,4225 4465,4225 4475,4235 4475,4530 4940,4530 5090,4680 5090,4825 5085,4825 5075,4835 5045,4835 5035,4825 5035,4715 5020,4700 4575,4700 4565,4710 4565,4810 4555,4820 4510,4820 4500,4810 4500,4710 4490,4700 4050,4700 4030,4720 4030,4800 4015,4815 3990,4815 3970,4795 3970,4705 3950,4685 3525,4685 3510,4700 3510,4805 3500,4815 3455,4815 3440,4800

## Silkscreen, mask and mechanical layers (free items; w line width, h text height)
Top Overlay:
  lines w10: 4895,2905 6005,2905 6005,3150 4895,3150 4895,2905
  text "2023-11-16 20:06" at 4915,3060 h100
  text "Smart Light Modulator V1.1" at 4895,2933.78 h100
  text "@萌了个芯" at 3475,2356.15 h250
Bottom Overlay:
  text "-" at 5565,4495.2 h100
  text "+" at 2875,4493.34 h100
  text "-" at 5185,4485.02 h100
  text "-" at 3245,1215.02 h100
  text "+" at 5185,1193.34 h100
Mechanical 1:
  circle w10: c5820,4780 r59.06
  circle w10: c2255,1205 r59.06
  circle w10: c5905,1205 r59.06
  circle w10: c2840,4780 r59.06
  lines w10: 2090,1150 ccw(c2140,1150) 2140,1100 5980,1100 ccw(c5976,1151) 6027.01,1155 6027.01,4810 ccw(c5956,4809) 5955,4880 2150,4885 ccw(c2152.5,4822.5) 2090,4820 2090,1150

## Text inside footprints (layer, text, board x,y; h text height)
J1: Bottom Overlay "+" at 3286.06,4005.39 h30 r270; Bottom Overlay "-" at 3306.06,1695.39 h30 r270; Bottom Overlay "-" at 2501.06,1695.39 h30 r270; Bottom Overlay "+" at 2506.06,4005.39 h30 r270
J2: Bottom Overlay "-" at 4823.94,4071.34 h30 r90; Bottom Overlay "+" at 5623.93,1761.34 h30 r90; Bottom Overlay "-" at 5628.94,4071.34 h30 r90; Bottom Overlay "+" at 4843.93,1761.34 h30 r90
USB1: Top Overlay "GND" at 5725,2418.54 h30; Top Overlay "D+" at 5725,2298.54 h30; Top Overlay "D-" at 5725,2218.54 h30; Top Overlay "VCC" at 5725,2098.54 h30